# Altium PCB HORNET-1-IPG.PcbDoc (part 2 of 8) (continued)
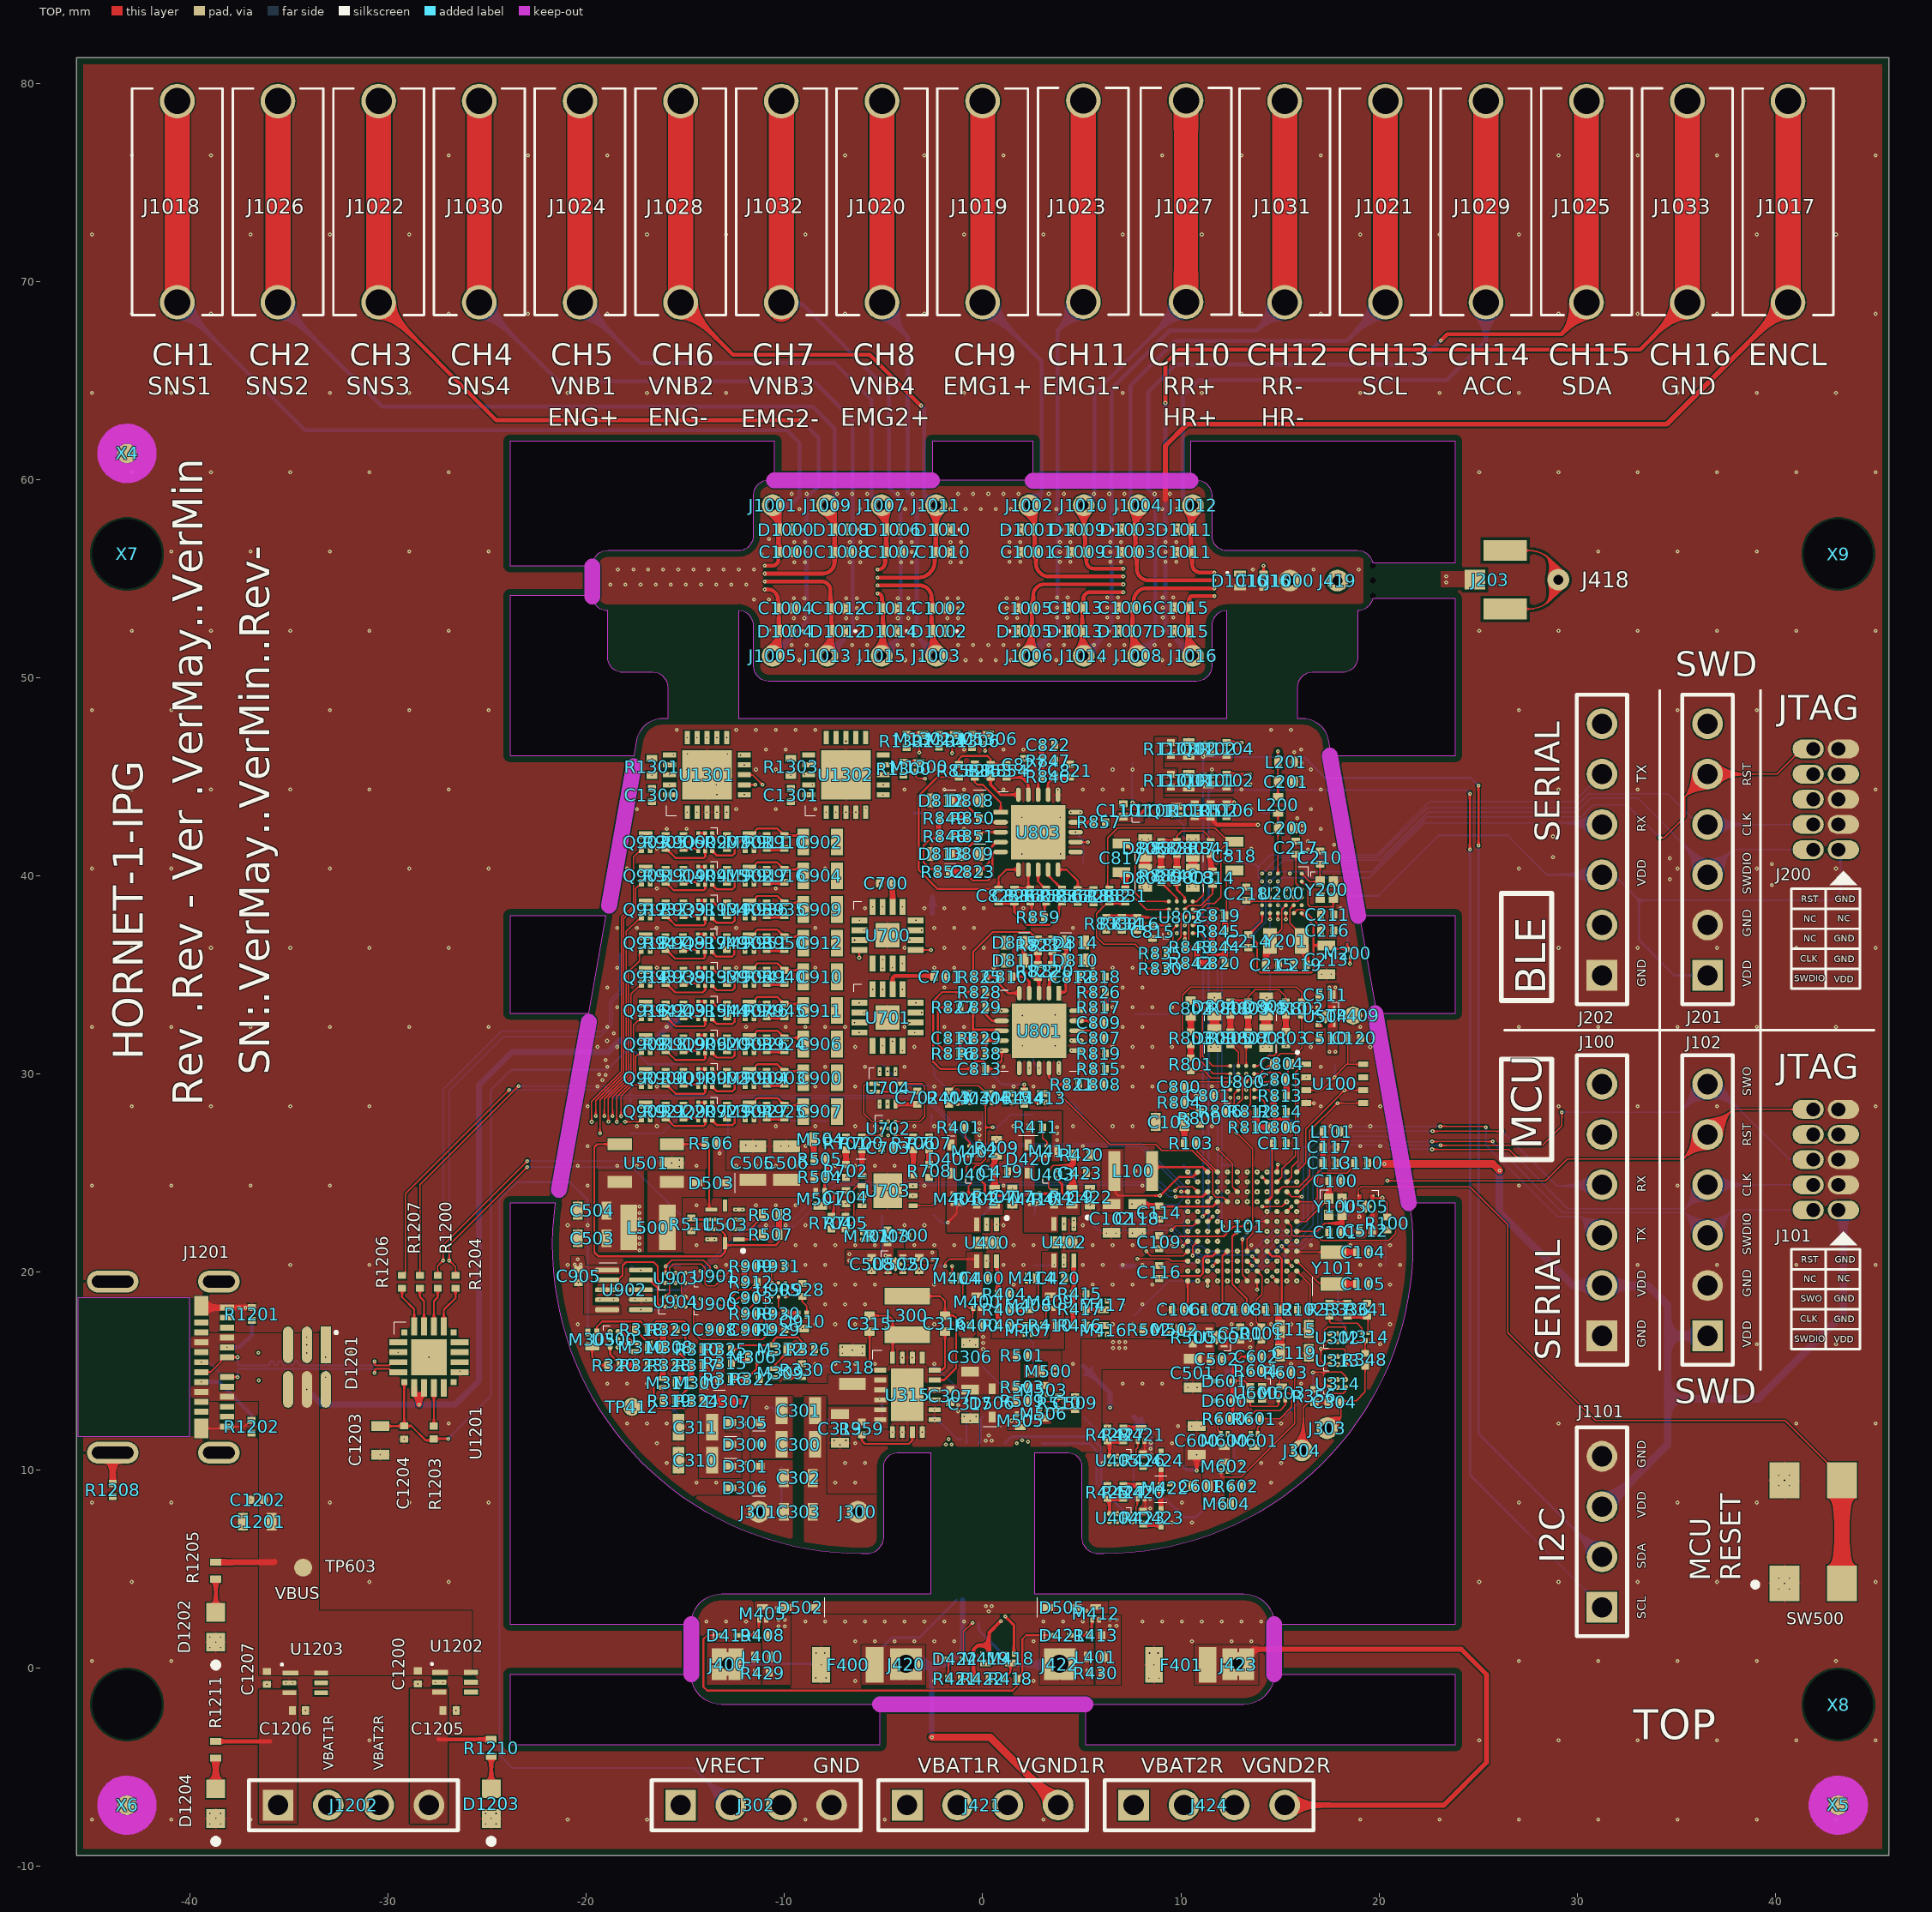
[diagram p0: TOP view]
## Components (designator, comment, footprint, x,y, rotation, side; value= is the part's Value field where it differs from the comment) (continued)
R943 "CRCW02011K00FNED" R0201_C -15.104,33.2 r270 top value=1k
R944 "CRCW0201150RFNED" R0201_C -12.9,33.2 r90 top value=150R
R945 "CRCW020110M0FNED" R0201_C -10,33.2 r270 top value=10M
R946 "CRCW02012M00FNED" R0201_C -10.9,33.2 r90 top value=2M
R947 "RES_DNP_0201" R0201_C -16.003,36.6 r270 top value=DNP
R948 "CRCW02011K00FNED" R0201_C -15.118,36.6 r270 top value=1k
R949 "CRCW0201150RFNED" R0201_C -12.918,36.6 r90 top value=150R
R950 "CRCW020110M0FNED" R0201_C -10.003,36.6 r270 top value=10M
R951 "CRCW02012M00FNED" R0201_C -10.903,36.6 r90 top value=2M
R1101 "CRCW020110K0FNED" R0201_C 9.5,44.8 r270 top value=10k
R1102 "CRCW02016K80FNED" R0201_C 12.3,44.8 r90 top value=6k8
R1103 "CRCW020110K0FNED" R0201_C 9.5,46.4 r270 top value=10k
R1104 "CRCW02016K80FNED" R0201_C 12.3,46.4 r90 top value=6k8
R1105 "CRCW02016K80FNED" R0201_C 10.7,43.3 r270 top value=6k8
R1106 "CRCW02010000Z0ED" R0201_C 12.3,43.3 r90 top value=0R
R1200 "CRCW02011K00FNED" R0201_C -27.5,19.5 r270 top value=1k
R1201 "CRCW02015K11FNED" R0201_C -36.881,17.875 r90 top value=5k11
R1202 "CRCW02015K11FNED" R0201_C -36.9,12.2 r90 top value=5k11
R1203 "CRCW02011K00FNED" R0201_C -27.7,11.9 r270 top value=1k
R1204 "CRCW02011K00FNED" R0201_C -26.6,19.5 r270 top value=1k
R1205 "CRCW0402200RFKEDHP" RES0402_REDUCED -38.7,4.928 r270 top value=200R
R1206 "CRCW02011K00FNED" R0201_C -29.3,19.5 r270 top value=1k
R1207 "CRCW02011K00FNED" R0201_C -28.4,19.5 r270 top value=1k
R1208 "CRCW02011M00FNED" R0201_C -43.9,9 r270 top value=1M
R1210 "CRCW0402200RFKEDHP" RES0402_REDUCED -24.8,-4.013 r270 top value=200R
R1211 "CRCW0402200RFKEDHP" RES0402_REDUCED -38.7,-4.115 r270 top value=200R
R1300 "CRCW020110M0FNED" R0201_C -4,45.4 r90 top value=10M
R1301 "CRCW0402499RFKEDHP" RES0402_REDUCED -16.696,45.492 r270 top value=499R
R1302 "CRCW020110M0FNED" R0201_C -3.839,46.8 r90 top value=10M
R1303 "CRCW0402499RFKEDHP" RES0402_REDUCED -9.686,45.492 r270 top value=499R
R1304 "CRCW020110M0FNED" R0201_C -2.2,46.81 r90 top value=10M
R1306 "CRCW020110M0FNED" R0201_C -0.533,46.8 r90 top value=10M
SW500 "PB" CK_PTS647 41.91,6.89 r0 top
TP100 "Test Point" testpad_0.9mm#1 10.16,20.32 r270 bottom value="Test point"
TP101 "Test Point" testpad_0.9mm#1 5.08,22.86 r270 bottom value="Test point"
TP104 "Test Point" testpad_0.9mm#1 7.62,22.86 r270 bottom value="Test point"
TP105 "Test Point" testpad_0.9mm#1 10.16,22.86 r270 bottom value="Test point"
TP106 "Test Point" testpad_0.9mm#1 17.78,30.48 r270 bottom value="Test point"
TP108 "Test Point" testpad_0.9mm#1 15.24,20.32 r270 bottom value="Test point"
TP200 "Test Point" testpad_0.9mm#1 17.78,35.56 r270 bottom value="Test point"
TP201 "Test Point" testpad_0.9mm#1 15.24,43.18 r270 bottom value="Test point"
TP202 "Test Point" testpad_0.9mm#1 12.7,38.1 r270 bottom value="Test point"
TP203 "Test Point" testpad_0.9mm#1 12.7,25.4 r270 bottom value="Test point"
TP204 "Test Point" testpad_0.9mm#1 12.7,40.64 r270 bottom value="Test point"
TP205 "Test Point" testpad_0.9mm#1 15.24,38.1 r270 bottom value="Test point"
TP300 "Test Point" testpad_0.9mm#1 -7.62,12.7 r270 bottom value="Test point"
TP302 "Test Point" testpad_0.9mm#1 -10.16,12.7 r270 bottom value="Test point"
TP308 "Test Point" testpad_0.9mm#1 -5.08,12.7 r270 bottom value="Test point"
TP309 "Test Point" testpad_0.9mm#1 15.24,27.94 r270 bottom value="Test point"
TP310 "Test Point" testpad_0.9mm#1 -15.24,27.94 r270 bottom value="Test point"
TP311 "Test Point" testpad_0.9mm#1 -15.24,12.7 r270 bottom value="Test point"
TP312 "Test Point" testpad_0.9mm#1 -7.62,15.24 r270 bottom value="Test point"
TP313 "Test Point" testpad_0.9mm#1 -10.16,10.16 r270 bottom value="Test point"
TP314 "Test Point" testpad_0.9mm#1 17.78,20.32 r270 bottom value="Test point"
TP316 "Test Point" testpad_0.9mm#1 17.78,17.78 r270 bottom value="Test point"
TP319 "Test Point" testpad_0.9mm#1 17.78,15.24 r270 bottom value="Test point"
TP320 "Test Point" testpad_0.9mm#1 15.24,12.7 r270 bottom value="Test point"
TP321 "Test Point" testpad_0.9mm#1 2.54,25.4 r270 bottom value="Test point"
TP400 "Test Point" testpad_0.9mm#1 -2.54,20.32 r270 bottom value="Test point"
TP401 "Test Point" testpad_0.9mm#1 -2.54,22.86 r270 bottom value="Test point"
TP402 "Test Point" testpad_0.9mm#1 -2.54,12.7 r270 bottom value="Test point"
TP403 "Test Point" testpad_0.9mm#1 0,27.94 r270 bottom value="Test point"
TP404 "Test Point" testpad_0.9mm#1 5.08,15.24 r270 bottom value="Test point"
TP405 "Test Point" testpad_0.9mm#1 -2.54,30.48 r270 bottom value="Test point"
TP406 "Test Point" testpad_0.9mm#1 2.54,27.94 r270 bottom value="Test point"
TP407 "Test Point" testpad_0.9mm#1 -2.533,15.233 r270 bottom value="Test point"
TP408 "Test Point" testpad_0.9mm#1 -12.7,30.48 r270 bottom value="Test point"
TP409 "Test Point" testpad_0.9mm#1 18.694,32.944 r270 top value="Test point"
TP410 "Test Point" testpad_0.9mm#1 12.7,43.18 r270 bottom value="Test point"
TP411 "Test Point" testpad_0.9mm#1 5.08,20.32 r270 bottom value="Test point"
TP412 "Test Point" testpad_0.9mm#1 -17.7,13.2 r270 top value="Test point"
TP413 "Test Point" testpad_0.9mm#1 17.78,33.02 r270 bottom value="Test point"
TP414 "Test Point" testpad_0.9mm#1 5.08,30.48 r270 bottom value="Test point"
TP415 "Test Point" testpad_0.9mm#1 -5.08,15.24 r270 bottom value="Test point"
TP416 "Test Point" testpad_0.9mm#1 15.24,17.78 r270 bottom value="Test point"
TP417 "Test Point" testpad_0.9mm#1 2.54,20.32 r270 bottom value="Test point"
TP418 "Test Point" testpad_0.9mm#1 2.54,22.86 r270 bottom value="Test point"
TP419 "Test Point" testpad_0.9mm#1 0,12.7 r270 bottom value="Test point"
TP420 "Test Point" testpad_0.9mm#1 12.7,15.24 r270 bottom value="Test point"
TP421 "Test Point" testpad_0.9mm#1 7.62,12.7 r270 bottom value="Test point"
TP422 "Test Point" testpad_0.9mm#1 7.62,7.62 r270 bottom value="Test point"
TP423 "Test Point" testpad_0.9mm#1 10.16,12.7 r270 bottom value="Test point"
TP424 "Test Point" testpad_0.9mm#1 0,30.48 r270 bottom value="Test point"
TP425 "Test Point" testpad_0.9mm#1 0,22.86 r270 bottom value="Test point"
TP426 "Test Point" testpad_0.9mm#1 7.62,17.78 r270 bottom value="Test point"
TP427 "Test Point" testpad_0.9mm#1 10.16,10.16 r270 bottom value="Test point"
TP428 "Test Point" testpad_0.9mm#1 17.78,22.86 r270 bottom value="Test point"
TP429 "Test Point" testpad_0.9mm#1 5.08,12.7 r270 bottom value="Test point"
TP430 "Test Point" testpad_0.9mm#1 7.62,10.16 r90 bottom value="Test point"
TP431 "Test Point" testpad_0.9mm#1 5.08,27.94 r90 bottom value="Test point"
TP432 "Test Point" testpad_0.9mm#1 2.54,15.24 r90 bottom value="Test point"
TP433 "Test Point" testpad_0.9mm#1 2.54,17.78 r90 bottom value="Test point"
TP434 "Test Point" testpad_0.9mm#1 -5.08,30.48 r90 bottom value="Test point"
TP435 "Test Point" testpad_0.9mm#1 10.16,7.62 r90 bottom value="Test point"
TP500 "Test Point" testpad_0.9mm#1 7.62,20.32 r270 bottom value="Test point"
TP501 "Test Point" testpad_0.9mm#1 12.7,17.78 r270 bottom value="Test point"
TP502 "Test Point" testpad_0.9mm#1 10.16,17.78 r270 bottom value="Test point"
TP503 "Test Point" testpad_0.9mm#1 -17.78,22.86 r270 bottom value="Test point"
TP504 "Test Point" testpad_0.9mm#1 0,15.24 r270 bottom value="Test point"
TP505 "Test Point" testpad_0.9mm#1 -12.7,27.94 r270 bottom value="Test point"
TP506 "Test Point" testpad_0.9mm#1 -2.54,43.18 r270 bottom value="Test point"
TP508 "Test Point" testpad_0.9mm#1 -5.08,22.86 r270 bottom value="Test point"
TP509 "Test Point" testpad_0.9mm#1 2.54,12.7 r270 bottom value="Test point"
TP510 "Test Point" testpad_0.9mm#1 5.08,33.02 r270 bottom value="Test point"
TP512 "Test Point" testpad_0.9mm#1 20.32,20.32 r270 bottom value="Test point"
TP513 "Test Point" testpad_0.9mm#1 10.16,25.4 r270 bottom value="Test point"
TP514 "Test Point" testpad_0.9mm#1 -10.16,27.94 r270 bottom value="Test point"
TP600 "Test Point" testpad_0.9mm#1 10.16,15.24 r270 bottom value="Test point"
TP601 "Test Point" testpad_0.9mm#1 12.7,10.16 r270 bottom value="Test point"
TP602 "Test Point" testpad_0.9mm#1 15.24,25.4 r270 bottom value="Test point"
TP603 "Test Point" testpad_0.9mm#1 -34.29,5.08 r270 top value="Test point"
TP604 "Test Point" testpad_0.9mm#1 15.24,15.24 r270 bottom value="Test point"
TP700 "Test Point" testpad_0.9mm#1 -7.62,25.4 r270 bottom value="Test point"
TP701 "Test Point" testpad_0.9mm#1 -2.54,38.1 r270 bottom value="Test point"
TP702 "Test Point" testpad_0.9mm#1 -2.54,25.4 r270 bottom value="Test point"
TP703 "Test Point" testpad_0.9mm#1 -5.08,27.94 r90 bottom value="Test point"
TP800 "Test Point" testpad_0.9mm#1 12.7,27.94 r90 bottom value="Test point"
TP801 "Test Point" testpad_0.9mm#1 10.16,38.1 r90 bottom value="Test point"
TP802 "Test Point" testpad_0.9mm#1 7.62,33.02 r90 bottom value="Test point"
TP803 "Test Point" testpad_0.9mm#1 12.7,30.48 r90 bottom value="Test point"
TP804 "Test Point" testpad_0.9mm#1 5.08,40.64 r90 bottom value="Test point"
TP805 "Test Point" testpad_0.9mm#1 2.54,33.02 r90 bottom value="Test point"
TP900 "Test Point" testpad_0.9mm#1 -15.24,20.32 r270 bottom value="Test point"
TP901 "Test Point" testpad_0.9mm#1 -12.7,20.32 r270 bottom value="Test point"
TP902 "Test Point" testpad_0.9mm#1 -17.78,20.32 r270 bottom value="Test point"
TP1101 "Test Point" testpad_0.9mm#1 7.62,45.72 r90 bottom value="Test point"
TP1103 "Test Point" testpad_0.9mm#1 10.16,40.64 r90 bottom value="Test point"
TP1200 "Test Point" testpad_0.9mm#2 74.959,5.122 r90 top value="Test point"
TP1201 "Test Point" testpad_0.9mm#1 -15.24,30.48 r90 bottom value="Test point"
TP1202 "Test Point" testpad_0.9mm#1 -15.24,33.02 r90 bottom value="Test point"
TP1203 "Test Point" testpad_0.9mm#3 50.099,2.582 r90 top value="Test point"
TP1205 "Test Point" testpad_0.9mm#1 -17.78,27.94 r90 bottom value="Test point"
TP1206 "Test Point" testpad_0.9mm#1 -17.78,30.48 r90 bottom value="Test point"
U100 "CY15B108QN-20LPXC" CY_002-18131_GQFN8 17.761,29.51 r0 top
U101 "STM32U585QII6Q" STM_UFBGA132 13.1,22.3 r180 top locked
U200 "NRF52810-CAAA-E-R7" NORDIC_WLCSP_2.482x2.464 15.1,39.112 r270 top
U300 "AD8505ACBZ-R7" AD8505ACBZ-R7 -18.6,16.6 r90 top
U302 "AD8505ACBZ-R7" AD8505ACBZ-R7 17.908,16.688 r180 top
U313 "AD8505ACBZ-R7" AD8505ACBZ-R7 17.917,15.532 r180 top
U314 "AD8505ACBZ-R7" AD8505ACBZ-R7 17.91,14.373 r180 top
U315 "LTC3130IUDC-1#PBF" LT_UDC-20_REDUCED -3.8,13.8 r0 top
U400 "LTC4065LEDC#TRPBF" LT_DC6 0.2,21.475 r270 top value=LTC4065LEDC#TRMPBF
U401 "TLV4021R1YKAR" TI_YKA0004 -0.402,24.935 r90 top
U402 "LTC4065LEDC#TRPBF" LT_DC6 4.1,21.5 r270 top value=LTC4065LEDC#TRMPBF
U403 "TLV4021R1YKAR" TI_YKA0004 3.5,24.935 r90 top
U404 "AD8505ACBZ-R7" AD8505ACBZ-R7 6.8,7.6 r0 top
U405 "AD8505ACBZ-R7" AD8505ACBZ-R7 6.8,10.5 r0 top
U500 "AP7354D-33FS4-7" "X2-DFN1010-4 (Type B)" 11.8,16.7 r90 top
U501 "LT1615ES5-1#TRPBF" LT_S5_L -17,25.5 r180 top
U502 "AP7354D-33FS4-7" "X2-DFN1010-4 (Type B)" -4.4,20.4 r270 top
U503 "ISL23315TFRUZ-T7A" RENESAS_L10.2.1X1.6A_UTQFN10 -13,22.4 r180 top
U504 "AP7354D-33FS4-7" "X2-DFN1010-4 (Type B)" 17.3,32.9 r180 top
U505 "TPS3831L30DQNR" TI_X2SON_DQN0004A 19.334,23.296 r270 top
U600 "ADL021-14E" NVE_ULLGA4 13.8,13.9 r270 top
U700 "MAX4781ETE+T" MAXIM_21-0136 -4.8,37 r0 top
U701 "MAX4781ETE+T" MAXIM_21-0136 -4.8,32.838 r0 top
U702 "TLV9002SIYCKR" TI_YCK0009 -4.764,27.245 r0 top
U703 "AD8137YCPZ-REEL7" AD_CP-8-13 -4.8,24.1 r0 top
U704 "ADG772BCPZ-REEL7" "10-Lead Mini LFCSP" -4.8,29.3 r0 top
U800 "AD8233ACBZ-R7" AD8233ACBZ-R7 13.1,29.6 r0 top
U801 "AD8232ACPZ-R7" FP-CP-20-8-IPC_C 2.845,32.182 r270 top locked
U802 "AD8233ACBZ-R7" AD8233ACBZ-R7 10,37.9 r0 top
U803 "AD8232ACPZ-R7" FP-CP-20-8-IPC_C 2.8,42.2 r0 top
U900 "SN74LVC1G123YZPR" TI_YZP0008 -13.5,18.4 r90 top
U901 "SN74LVC2G08YZPR" TI_YZP0008 -13.5,19.8 r90 top
U902 "DAC80502DRXT" TI_DRX0010A -18.1,19.1 r0 top
U903 "TS5A3159AYZPR" TI_YZP6 -15.5,19.7 r90 top
U904 "TS5A3159AYZPR" TI_YZP6 -15.5,18.5 r90 top
U905 "TLV9002SIYCKR" TI_YCK0009 -10.3,19.1 r90 top
U1101 "TS5A3159AYZPR" TI_YZP6 8.4,43.3 r90 top
U1201 "CP2102N-A02-GQFN20R" FP-CP2102N-A02-GQFN20R-MFG -27.94,15.7 r0 top
U1202 "TLV70237DSET" SON127P600-8N -26.619,-0.705 r0 top
U1203 "TLV70237DSET" SON127P600-8N -34.188,-0.737 r0 top
U1301 "ADG1634BCPZ-REEL7" AD_CP-20-10 -13.914,45.1 r0 top
U1302 "ADG1634BCPZ-REEL7" AD_CP-20-10 -6.9,45.1 r0 top
X1 "FIDUCIAL" Fid_IPC-7351B -43.18,61.316 r180 bottom
X2 "FIDUCIAL" Fid_IPC-7351B 43.18,-6.909 r180 bottom
X3 "FIDUCIAL" Fid_IPC-7351B -43.18,-6.909 r180 bottom
X4 "FIDUCIAL" Fid_IPC-7351B -43.18,61.316 r0 top
X5 "FIDUCIAL" Fid_IPC-7351B 43.18,-6.909 r0 top
X6 "FIDUCIAL" Fid_IPC-7351B -43.18,-6.909 r0 top
X7 "HOLE, UNPLATED" HOLE_UNPLATED_3.5MM -43.18,56.236 r0 top
X8 "HOLE, UNPLATED" HOLE_UNPLATED_3.5MM 43.18,-1.829 r0 top
X9 "HOLE, UNPLATED" HOLE_UNPLATED_3.5MM 43.18,56.236 r0 top
Y100 "ECS-480-10-48-CKY-TR" XTAL_ECS-SMD-CRYSTAL-10-48-CKY-TR 17.8,23.3 r270 top value="48 MHz"
Y101 "CM8V-T1A-32.768KHZ-6PF-20PPM-TA-QC" MICROCRYSTAL_CC8V-T1A 17.7,20.2 r90 top value=32.768kHz
Y200 "ECS-320-10-48-CKY-TR" XTAL_ECS-SMD-CRYSTAL-10-48-CKY-TR 17.363,39.297 r270 top value="32 MHz"
Y201 "CM8V-T1A-32.768KHZ-6PF-20PPM-TA-QC" MICROCRYSTAL_CC8V-T1A 15.3,36.712 r180 top value=32.768kHz

## Footprints (in the part's own frame and the unit in brackets; to place one, negate y for a bottom-side part, rotate by r counter-clockwise, add the part's x,y. Pads: shape width x height; smd on the part's side, far side on the other; paste and mask are expansions set on the pad)
"10-Lead Mini LFCSP" [mm]
  rect 0.2x0.455 smd paste+0 mask+0.05: 1(-0.4,0.827) 4(-0.4,-0.828) 5(0,-0.828) 6(0.4,-0.828) 9(0.4,0.827) 10(0,0.827)
  rect 0.505x0.2 smd paste+0 mask+0.05: 2(-0.653,0.2) 3(-0.653,-0.2) 7(0.652,-0.2) 8(0.652,0.2)
  silkscreen extent -0.92,0.45 -0.69,1.01, body extent -0.8,-0.65 0.8,0.65, height 0.6
105-07XX-001 [mm]
  round 1.75 hole 1.32 paste-2539.97: 1(-5.08,0) 2(5.08,0)
  silkscreen extent -5.72,-2.29 5.71,2.29, body extent -5.31,-1.98 5.31,1.98, height 5.13
0402C/SOD-923F [mm]
  rect 0.4x0.6 smd: 1(-0.35,0) 2(0.35,0)
  body extent -0.53,-0.33 0.53,0.33, height 0.55
AD8233ACBZ-R7 [mil] "IC ECG FRONT END 20WLCSP"
  round 8 smd mask+2: A1(-23.62,-31.5) A2(-23.62,-15.75) A3(-23.62,0) A4(-23.62,15.75) A5(-23.62,31.5) B1(-7.87,-31.5) B2(-7.87,-15.75) B3(-7.87,0) B4(-7.87,15.75) B5(-7.87,31.5) C1(7.87,-31.5) C2(7.87,-15.75) C3(7.87,0) C4(7.87,15.75) C5(7.87,31.5) D1(23.62,-31.5) D2(23.62,-15.75) D3(23.62,0) D4(23.62,15.75) D5(23.62,31.5)
  silkscreen extent -35,-42 -25,-31, body extent -34,-40 34,40, height 22
AD8505ACBZ-R7 [mm] "AD8505ACBZ-6-Ball Wafer Level Chip Scale Package"
  round 0.26 smd: A1(0.4,0.2) A2(0.4,-0.2) B1(0,0.2) B2(0,-0.2) C1(-0.4,0.2) C2(-0.4,-0.2)
  silkscreen extent 0.45,0.2 0.7,0.53, body extent -0.69,-0.46 0.69,0.46, height 0.64
AD_CP-8-13 [mm] "PSON, 8-Leads, Body 3.00x3.00mm, Pitch 0.50mm, Thermal Pad 1.74x1.45mm, IPC High Density"
  rect 0.45x0.25 smd: 1(-1.285,0.75) 2(-1.285,0.25) 3(-1.285,-0.25) 4(-1.285,-0.75) 5(1.285,-0.75) 6(1.285,-0.25) 7(1.285,0.25) 8(1.285,0.75)
  rect 1.45x1.74 smd paste-0.725: 9(0,0)
  silkscreen extent -1.6,1.6 -1.1,1.6, body extent -1.55,-1.55 1.55,1.55, height 0.8
AD_CP-20-10 [mm] "Quad Flat No-Lead (QFN with Tab), 0.50 mm pitch; square, 5 pin X 5 pin, 4.00 mm L X 4.00 mm W X 0.80 mm H body"
  rect 0.26x0.66 smd: 1(-1,-1.893) 2(-0.5,-1.893) 3(0,-1.893) 4(0.5,-1.893) 5(1,-1.893) 11(1,1.877) 12(0.5,1.877) 13(0,1.877) 14(-0.5,1.877) 15(-1,1.877)
  rect 0.66x0.26 smd: 6(1.885,-1.008) 7(1.885,-0.508) 8(1.885,-0.008) 9(1.885,0.492) 10(1.885,0.992) 16(-1.885,0.992) 17(-1.885,0.492) 18(-1.885,-0.008) 19(-1.885,-0.508) 20(-1.885,-1.008)
  rect 2.5x2.5 smd paste+0: 21(0,-0.008)
  silkscreen extent -2.05,-2.06 -1.55,-1.56, body extent -2.05,-2.06 2.05,2.04, height 0.8
BAS116LSQYL [mm]
  rect 0.5x0.7 smd mask+0.051: 1(-0.45,0) 2(0.45,0)
  silkscreen extent -0.75,0.51 -0.17,0.51, body extent -0.51,-0.3 0.51,0.3, height 0.38
C0201_C [mm] "Chip Capacitor, 2-Leads, Body 0.60x0.30mm, IPC High Density"
  rect 0.35x0.42 smd: 1(-0.33,0) 2(0.33,0)
  body extent -0.31,-0.17 0.32,0.16, height 0.33
CAP0402_REDUCED [mm] "Chip Capacitor, Body 1.0x0.5mm, Height 0.6mm, IPC High Density"
  rect 0.42x0.52 smd: 1(-0.4,0) 2(0.4,0)
  body extent -0.55,-0.3 0.55,0.3, height 0.6
CAP0603_REDUCED [mm] "Chip Capacitor, Body 1.6x0.8mm, Height 1.0mm, IPC High Density"
  rect 0.5x0.9 smd: 1(-0.725,0) 2(0.725,0)
  body extent -0.87,-0.47 0.88,0.48, height 1
CAP0805_REDUCED [mm] "Chip Capacitor, Body 2.0x1.2mm, Height 1.45mm, IPC High Density / Chip Capacitor, Body 2.0x1.2mm, Height 1.45mm, IPC High Density"
  rect 0.6x1.35 smd: 1(-0.85,0) 2(0.85,0)
  body extent -1.1,-0.72 1.1,0.72, height 1.45
CK_PTS647 [mm] "PB, 4-Leads, Body 6.5x4.5mm"
  rect 1.5x1.8 smd: 1(-1.45,-2.6) 2(-1.45,2.6) 3(1.45,-2.6) 4(1.45,2.6)
  silkscreen extent -3.05,-2.79 -2.8,-2.54, body extent -2.25,-3.25 2.25,3.25, height 5
CY_002-18131_GQFN8 [mm] "PSON, 8-Leads, Body 3.28x3.23mm, Pitch 0.65mm, IPC High Density"
  rect 0.5x0.3 smd: 1(-1.435,0.975) 2(-1.435,0.325) 3(-1.435,-0.325) 4(-1.435,-0.975) 5(1.435,-0.975) 6(1.435,-0.325) 7(1.435,0.325) 8(1.435,0.975)
  silkscreen extent -1.94,1.52 -1.82,1.63, body extent -1.64,-1.67 1.64,1.67, height 0.55
DFN1006-2A [mil]
  round 1 smd: 1(-17.72,0) 2(17.72,0)
  TOP region: 19.67,-11.81 19.69,-11.79 19.69,-5.95 27.5,-5.95 27.56,-5.96 27.56,5.87 19.68,5.87 19.68,11.8 19.69,11.81 7.87,11.81 7.87,-11.81
  TOP region: -19.67,11.81 -19.69,11.79 -19.69,5.95 -27.5,5.95 -27.56,5.96 -27.56,-5.87 -19.68,-5.87 -19.68,-11.8 -19.69,-11.81 -7.87,-11.81 -7.87,11.81
  silkscreen extent 6,-23 29,-23, body extent -21,-13 21,13, height 22
DIODESINC_SOT-963-6 [mm] "SOTFL, 6-Leads, Body 1.00x1.00mm, Pitch 0.35mm, IPC High Density"
  rect 0.2x0.2 smd: 1(-0.45,0.35) 2(-0.45,0) 3(-0.45,-0.35) 4(0.45,-0.35) 5(0.45,0) 6(0.45,0.35)
  silkscreen extent -0.73,0.28 -0.37,0.63, body extent -0.5,-0.52 0.5,0.52, height 0.5
DIODESINC_X1-DFN1006-3 [mm] "DFN, 3-Leads, Body 0.5x1.01mm, Pitch 0.65mm, IPC High Density"
  rect 0.4x0.25 smd: 1(-0.35,0.225) 2(-0.35,-0.225)
  rect 0.4x0.7 smd: 3(0.35,0)
  body extent -0.54,-0.27 0.54,0.28, height 0.53
DIODESINC_X2-DFN0604-3 [mm] "DFN, 3-Leads, Body 0.40x0.60mm, Pitch 0.48mm, IPC High Density"
  rect 0.18x0.16 smd: 1(-0.205,0.15) 2(-0.205,-0.15)
  rect 0.26x0.27 smd: 3(0.165,0)
  body extent -0.32,-0.23 0.33,0.22, height 0.4
DIODESINC_X2-DFN0606-3 [mm] "DFN, 3-Leads, Body 0.62x0.62mm, Pitch 0.34mm, IPC High Density"
  rect 0.28x0.2 smd paste+0 mask+0.076: 1(-0.24,0.175) 2(-0.24,-0.175)
  rect 0.35x0.54 smd paste-10 mask+0.076: 3(0.205,0)
  body extent -0.34,-0.34 0.34,0.34, height 0.4
DIODESINC_X2-DFN1006-3_REDUCED [mm] "DFN, 3-Leads, Body 0.60x1.00mm, Pitch 0.65mm, IPC High Density"
  rect 0.3x0.2 smd: 1(-0.325,0.175) 2(-0.325,-0.175)
  rect 0.3x0.54 smd: 3(0.325,0)
  body extent -0.5,-0.3 0.5,0.3, height 0.41
DIODESINC_X2-DSN1010-3_CUSTOMPIN [mm] "DFN, 3-Leads, Body 0.96x0.96mm, Pitch 0.50mm, IPC High Density"
  rect 0.25x0.15 smd: 1(-0.25,-0.25) 2(-0.25,0.25)
  rect 0.25x0.65 smd: 3(0.25,0)
  body extent -0.5,-0.5 0.5,0.5, height 0.35
FEEDHOLE_20mil#1 [mm] "Feedthrough hole 20mil"
  round 1.1 hole 0.5: 1(1.343,0.7)
FEEDHOLE_20mil#2 [mm] "Feedthrough hole 20mil"
  round 1.1 hole 0.5: 1(0.443,0.6)
FEEDHOLE_20mil#3 [mm] "Feedthrough hole 20mil"
  round 1.1 hole 0.5: 1(0.069,-0.728)
FEEDHOLE_20mil#4 [mm] "Feedthrough hole 20mil"
  round 1.1 hole 0.5: 1(-1,0.5)
FEEDHOLE_20mil#5 [mm] "Feedthrough hole 20mil"
  round 1.1 hole 0.5: 1(0,0)
FEEDHOLE_20mil#6 [mm] "Feedthrough hole 20mil"
  round 1.1 hole 0.5: 1(-16.749,69.298)
FEEDHOLE_20mil#7 [mm] "Feedthrough hole 20mil"
  round 1.1 hole 0.5: 1(-15.55,67.417)
FEEDHOLE_20mil#8 [mm] "Feedthrough hole 20mil"
  round 1.1 hole 0.5: 1(-15.55,65.439)
FEEDHOLE_20mil#9 [mm] "Feedthrough hole 20mil"
  round 1.1 hole 0.5: 1(-15.55,67.43)
FEEDHOLE_20mil#10 [mm] "Feedthrough hole 20mil"
  round 1.1 hole 0.5: 1(-15.55,65.252)
FEEDHOLE_20mil#11 [mm] "Feedthrough hole 20mil"
  round 1.1 hole 0.5: 1(-17.808,67.417)
FEEDHOLE_20mil#12 [mm] "Feedthrough hole 20mil"
  round 1.1 hole 0.5: 1(-17.807,65.434)
FEEDHOLE_20mil#13 [mm] "Feedthrough hole 20mil"
  round 1.1 hole 0.5: 1(-17.807,67.415)
FEEDHOLE_20mil#14 [mm] "Feedthrough hole 20mil"
  round 1.1 hole 0.5: 1(-17.785,65.252)
FEEDHOLE_20mil#15 [mm] "Feedthrough hole 20mil"
  round 1.1 hole 0.5: 1(-15.55,67.373)
FEEDHOLE_20mil#16 [mm] "Feedthrough hole 20mil"
  round 1.1 hole 0.5: 1(-15.55,65.496)
FEEDHOLE_20mil#17 [mm] "Feedthrough hole 20mil"
  round 1.1 hole 0.5: 1(-15.55,67.387)
FEEDHOLE_20mil#18 [mm] "Feedthrough hole 20mil"
  round 1.1 hole 0.5: 1(-15.55,64.609)
FEEDHOLE_20mil#19 [mm] "Feedthrough hole 20mil"
  round 1.1 hole 0.5: 1(-17.807,65.51)
FEEDHOLE_20mil#20 [mm] "Feedthrough hole 20mil"
  round 1.1 hole 0.5: 1(-17.796,64.609)
Fid_IPC-7351B [mm]
  round 1 smd paste-5 mask+1: Fid(0,0)
  TOP keep-out circle w1: c0,0 r1
FP-1054500101-MFG [mm]
  rrect100% 1.1x2.1 hole 0.6 slot 1.6 at 90 deg paste-2539.97 mask+0: 1(-4.32,3.36) 2(4.32,3.36)
  rrect100% 1.1x2.6 hole 0.6 slot 2.1 at 90 deg paste-2539.97 mask+0: 3(-4.32,-2) 4(4.32,-2)
  rect 0.3x0.7 smd paste+0 mask+0: A1(-3,3.77) A2(-2.5,3.77) A3(-2,3.77) A4(-1.5,3.77) A5(-1,3.77) A6(-0.5,3.77) A7(0.5,3.77) A8(1,3.77) A9(1.5,3.77) A10(2,3.77) A11(2.5,3.77) A12(3,3.77) B2(2.25,2.47) B3(1.75,2.47) B4(1.25,2.47) B5(0.75,2.47) B6(0.25,2.47) B7(-0.25,2.47) B8(-0.75,2.47) B9(-1.25,2.47) B10(-1.75,2.47) B11(-2.25,2.47)
  rect 1x0.7 smd paste+0 mask+0: B1(3.1,2.47) B12(-3.1,2.47)
  Keep-Out Layer region: -3.5,-3.77 3.5,-3.77 3.5,1.88 -3.5,1.88
  body extent -4.47,-3.91 4.47,4, height 3.2
FP-CP2102N-A02-GQFN20R-MFG [mm]
  rect 0.3x0.3 smd paste+0 mask+0: 1(-1.25,1.25) 6(-1.25,-1.25) 11(1.25,-1.25) 16(1.25,1.25)
  rect 0.9x0.3 smd paste+0 mask+0: 2(-1.55,0.75) 3(-1.55,0.25) 4(-1.55,-0.25) 5(-1.55,-0.75) 12(1.55,-0.75) 13(1.55,-0.25) 14(1.55,0.25) 15(1.55,0.75)
  rect 0.3x0.9 smd paste+0 mask+0: 7(-0.75,-1.55) 8(-0.25,-1.55) 9(0.25,-1.55) 10(0.75,-1.55) 17(0.75,1.55) 18(0.25,1.55) 19(-0.25,1.55) 20(-0.75,1.55)
  rect 1.8x1.8 smd paste-1000 mask+0: 21(0,0)
  silkscreen extent -1.75,1.15 -1.16,1.79, body extent -1.5,-1.5 1.5,1.5, height 0.8
FP-CP-20-8-IPC_C [mm]
  rect 0.731x0.239 smd paste+0 mask+0: 1(-1.891,1)
  rrect100% 0.731x0.239 smd paste+0 mask+0: 2(-1.891,0.5) 3(-1.891,0) 4(-1.891,-0.5) 5(-1.891,-1) 11(1.891,-1) 12(1.891,-0.5) 13(1.891,0) 14(1.891,0.5) 15(1.891,1)
  rrect100% 0.239x0.731 smd paste+0 mask+0: 6(-1,-1.891) 7(-0.5,-1.891) 8(0,-1.891) 9(0.5,-1.891) 10(1,-1.891) 16(1,1.891) 17(0.5,1.891) 18(0,1.891) 19(-0.5,1.891) 20(-1,1.891)
  rect 2.75x2.75 smd paste-1000 mask+0: 21(0,0)
  silkscreen extent -2.05,-2.05 2.05,2.05, body extent -2,-2 2,2, height 0.8
FP-SOT457-IPC_A [mm]
  rect 1.854x0.516 smd paste+0 mask+0: 1(-1.125,0.95)
  rrect100% 1.854x0.516 smd paste+0 mask+0: 2(-1.125,0) 3(-1.125,-0.95) 4(1.125,-0.95) 5(1.125,0) 6(1.125,0.95)
  silkscreen extent -1.81,1.41 -1.69,1.54, body extent -1.33,-1.45 1.43,1.45, height 1.1
FP-U_FL-R-SMT-1_10-MFG [mm]
  rect 1x1.05 smd paste-1000 mask+0: 1(0,1.525)
  rect 1.05x2.2 smd paste-1000 mask+0: 2(-1.475,0) 3(1.475,0)
  body extent -1.5,-1.55 1.5,1.55, height 1.45
HOLE_UNPLATED_3.5MM [mm]
  round 0 hole 3.5 unplated paste-2539.97 mask+0.102: 1(0,0)
KOVAR_BLOCK_PAD_1.53MM [mm]
  rect 0.75x0.75 smd: 1(-0.425,0.425) 2(0.425,0.425) 3(0.425,-0.425) 4(-0.425,-0.425)
L0402_C [mm] "Chip Inductor, 2-Leads, Body 1.00x0.50mm, IPC High Density"
  rect 0.35x0.52 smd: 1(-0.415,0) 2(0.415,0)
  body extent -0.5,-0.25 0.5,0.25, height 0.54
LEDC0603 [mm]
  rect 0.95x0.95 smd: A(0.75,0) K(-0.75,0)
  silkscreen extent -2.03,-0.13 -1.78,0.13, body extent -0.83,-0.4 0.77,0.4, height 0.7
LITTELFUSE_440series_1206_REDUCED [mm] "Fuse, 2-Leads, Body 3.20x1.63mm, IPC High Density"
  rect 0.9x1.8 smd: 1(-1.35,0) 2(1.35,0)
  body extent -1.69,-0.86 1.69,0.86, height 0.86
LT_DC6 [mm] "SON, 6-Leads, Body 2.00x2.00mm, Pitch 0.50mm, Thermal Pad, IPC High Density"
  rect 0.7x0.25 smd: 1(-0.925,0.5) 2(-0.925,0) 3(-0.925,-0.5) 4(0.925,-0.5) 5(0.925,0) 6(0.925,0.5)
  rect 0.6x1.37 smd: 7(0,0)
  silkscreen extent -1.31,0.96 -1.19,1.08, body extent -1.05,-1.05 1.05,1.05, height 0.85
LT_S5_L [mm] "SOT23, 5-Leads, Body 2.90x2.80mm, Pitch 0.95mm, IPC High Density"
  rect 1.22x0.62 smd: 1(-1.31,0.95) 2(-1.31,0) 3(-1.31,-0.95) 4(1.31,-0.95) 5(1.31,0.95)
  body extent -1.5,-1.5 1.5,1.5, height 1.45
LT_UDC-20_REDUCED [mm] "QFN, 20-Leads, Body 3.00x4.00mm, Pitch 0.50mm, Thermal Pad 1.65x2.65mm, IPC High Density"
  rect 0.6x0.25 smd: 1(-1.375,1.25) 2(-1.375,0.75) 3(-1.375,0.25) 4(-1.375,-0.25) 5(-1.375,-0.75) 6(-1.375,-1.25) 11(1.375,-1.25) 12(1.375,-0.75) 13(1.375,-0.25) 14(1.375,0.25) 15(1.375,0.75) 16(1.375,1.25)
  rect 0.25x0.6 smd: 7(-0.75,-1.875) 8(-0.25,-1.875) 9(0.25,-1.875) 10(0.75,-1.875) 17(0.75,1.875) 18(0.25,1.875) 19(-0.25,1.875) 20(-0.75,1.875)
  rect 1.65x2.65 smd: 21(0,0)
  silkscreen extent -1.75,1.8 -1.3,2.25, body extent -1.55,-2.05 1.55,2.05, height 0.8
MAXIM_21-0136 [mm] "QFN, 16-Leads, Body 3.00x3.00mm, Pitch 0.50mm, Thermal Pad 1.10x1.10mm, IPC High Density"
  rect 0.8x0.3 smd: 1(-1.425,0.75) 2(-1.425,0.25) 3(-1.425,-0.25) 4(-1.425,-0.75) 9(1.425,-0.75) 10(1.425,-0.25) 11(1.425,0.25) 12(1.425,0.75)
  rect 0.3x0.8 smd: 5(-0.75,-1.425) 6(-0.25,-1.425) 7(0.25,-1.425) 8(0.75,-1.425) 13(0.75,1.425) 14(0.25,1.425) 15(-0.25,1.425) 16(-0.75,1.425)
  rect 1.23x1.23 smd: 17(0,0)
  silkscreen extent -1.7,1.3 -1.3,1.7, body extent -1.6,-1.6 1.6,1.6, height 0.8
MICROCRYSTAL_CC8V-T1A [mm] "DFN, 2-Leads, Body 1.20x2.00mm, Pitch 1.47mm, IPC High Density"
  rect 0.7x1.3 smd: 1(-0.8,0) 2(0.8,0)
  body extent -1,-0.6 1,0.6, height 0.6
NORDIC_WLCSP_2.482x2.464 [mil]
  round 8 smd: A1(-39.37,39.37) A2(-23.62,39.37) A3(-7.87,39.37) A4(7.87,39.37) A5(23.62,39.37) A6(39.37,39.37) B3(-7.87,23.62) B4(7.87,23.62) B5(23.62,23.62) B6(39.37,23.62) C1(-39.37,15.75) D3(-7.87,7.87) D4(7.87,7.87) D5(23.62,7.87) D6(39.37,7.87) E1(-39.37,-7.88) E2(-23.62,-7.88) E3(-7.87,-7.88) E4(7.87,-7.88) E5(23.62,-7.88) E6(39.37,-7.88) F1(-39.37,-23.63) F2(-23.62,-23.63) F3(-7.87,-23.63) F4(7.87,-23.63) F5(23.62,-23.63) F6(39.37,-23.63) G1(-39.37,-39.38) G2(-23.62,-39.38) G3(-7.87,-39.38) G4(7.87,-39.38) G5(23.62,-39.38) G6(39.37,-39.38)
  silkscreen extent -53,32 -33,52, body extent -49,-48 49,48, height 21
NVE_ULLGA4 [mm] "PSON, 4-Leads, Body 1.10x1.10mm, Pitch 0.65mm, IPC High Density"
  rect 0.35x0.4 smd: 1(-0.325,0.3) 2(-0.325,-0.3) 3(0.325,-0.3) 4(0.325,0.3)
  silkscreen extent -0.73,0.43 -0.42,0.73, body extent -0.6,-0.6 0.6,0.6, height 0.4
ONSC_SOD-923_CASE514AB [mm]
  rect 0.36x0.25 smd: 1(0.42,0) 2(-0.42,0)
  silkscreen extent 0.78,-0.3 0.78,0.3, body extent -0.5,-0.33 0.5,0.33, height 0.4
PESD5V0S1BLD315 [mm]
  rect 0.3x0.6 smd mask+0.051: 1(-0.35,0) 2(0.35,0)
  silkscreen extent -0.89,-0.02 -0.79,0.07, body extent -0.51,-0.3 0.51,0.3, height 0.37
R0201_C [mm] "Chip Resistor, 2-Leads, Body 0.60x0.30mm, IPC High Density"
  rect 0.35x0.4 smd: 1(-0.325,0) 2(0.325,0)
  body extent -0.3,-0.15 0.3,0.15, height 0.3